# KiCad board fmc_memory_adapter.kicad_pcb (continued)
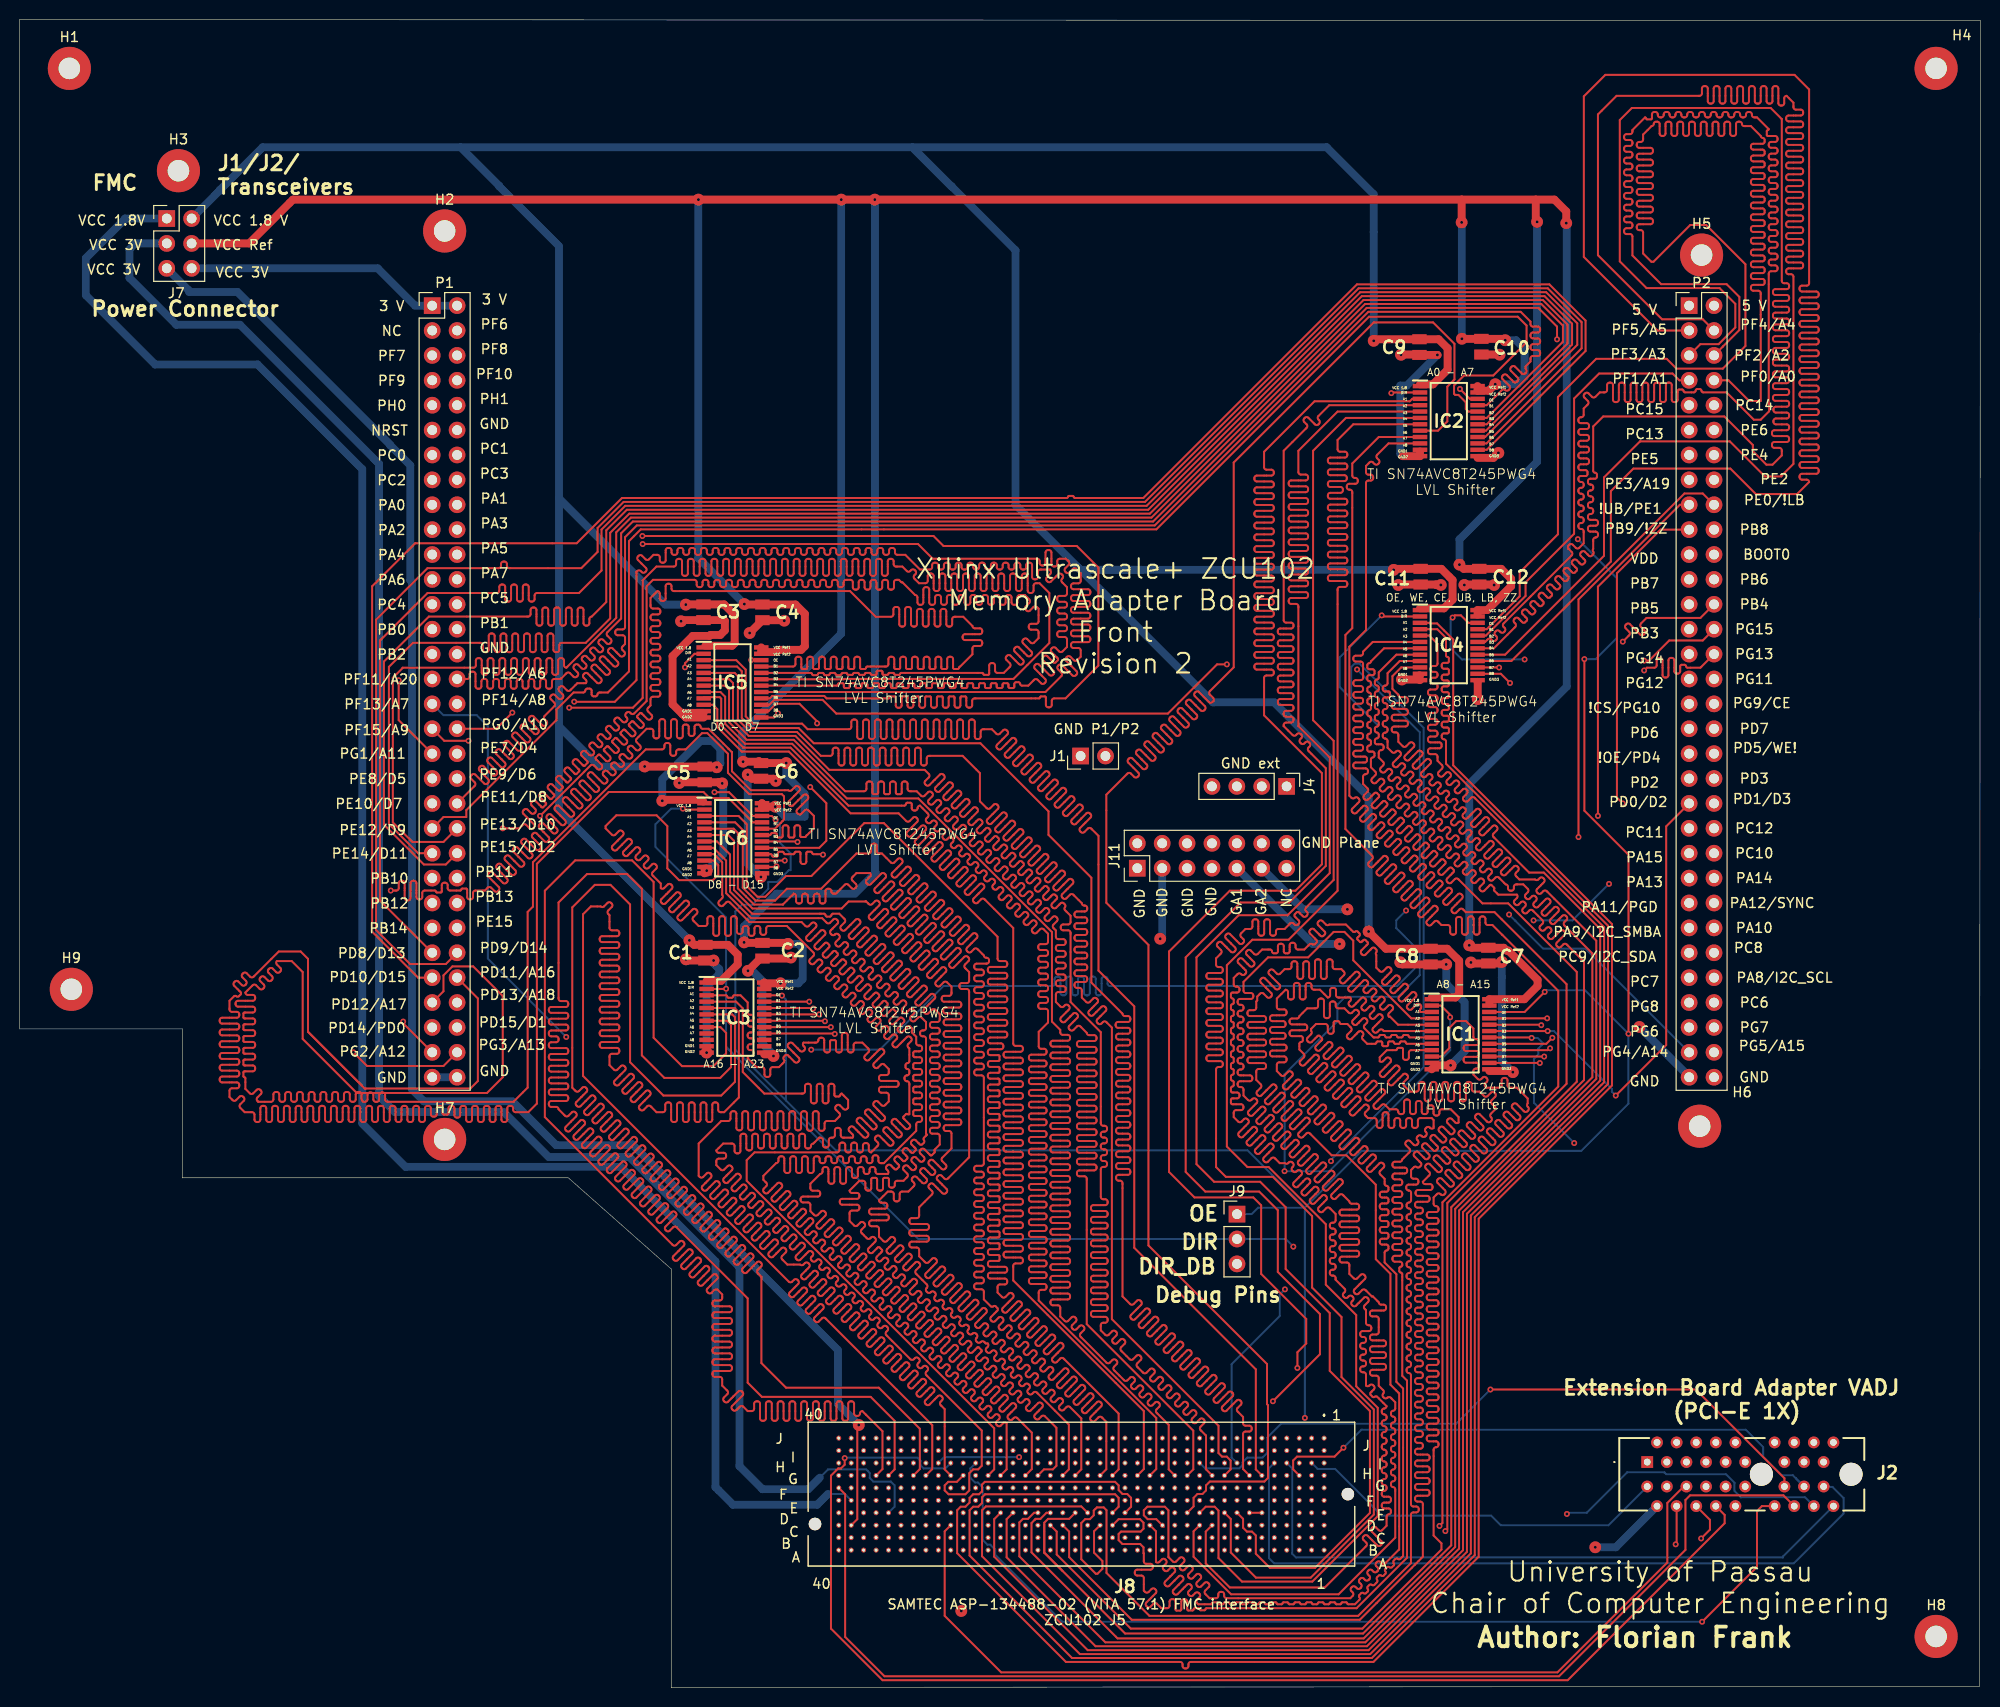
[diagram p0: board, top side]
## Routing (per net, layer and track width the routed paths; a pad name or vN(x,y) marks a point on that pad's centre or on a via; arc(x,y) is an arc through that point) (continued)
Net-(IC3-B3): length 198.5
  Top w0.2: IC3.19 v2(81.6,68.68)
  In2.Cu w0.2: v2(81.6,68.68) 81.66,68.62 93.76,68.62 96,66.38 100.76,66.38 arc(100.93,66.45) 101,66.62 101,67.14 arc(101.07,67.31) 101.24,67.38 101.36,67.38 arc(101.53,67.31) 101.6,67.14 101.6,66.62 arc(101.67,66.45) 101.84,66.38 101.96,66.38 arc(102.13,66.45) 102.2,66.62 102.2,67.14 arc(102.27,67.31) 102.44,67.38 102.56,67.38 arc(102.73,67.31) 102.8,67.14 102.8,66.62 arc(102.87,66.45) 103.04,66.38 103.16,66.38 arc(103.33,66.45) 103.4,66.62 103.4,67.14 arc(103.47,67.31) 103.64,67.38 103.76,67.38 arc(103.93,67.31) 104,67.14 104,66.62 arc(104.07,66.45) 104.24,66.38 104.36,66.38 arc(104.53,66.45) 104.6,66.62 104.6,67.14 arc(104.67,67.31) 104.84,67.38 104.96,67.38 arc(105.13,67.31) 105.2,67.14 105.2,66.62 arc(105.27,66.45) 105.44,66.38 105.56,66.38 arc(105.73,66.45) 105.8,66.62 105.8,67.14 arc(105.87,67.31) 106.04,67.38 106.16,67.38 arc(106.33,67.31) 106.4,67.14 106.4,66.62 arc(106.47,66.45) 106.64,66.38 106.76,66.38 arc(106.93,66.45) 107,66.62 107,67.14 arc(107.07,67.31) 107.24,67.38 107.36,67.38 arc(107.53,67.31) 107.6,67.14 107.6,66.62 arc(107.67,66.45) 107.84,66.38 107.96,66.38 arc(108.13,66.45) 108.2,66.62 108.2,67.14 arc(108.27,67.31) 108.44,67.38 108.56,67.38 arc(108.73,67.31) 108.8,67.14 108.8,66.62 arc(108.87,66.45) 109.04,66.38 109.16,66.38 arc(109.33,66.45) 109.4,66.62 109.4,67.14 arc(109.47,67.31) 109.64,67.38 109.76,67.38 arc(109.93,67.31) 110,67.14 110,66.62 arc(110.07,66.45) 110.24,66.38 110.36,66.38 arc(110.53,66.45) 110.6,66.62 110.6,67.14 arc(110.67,67.31) 110.84,67.38 110.96,67.38 arc(111.13,67.31) 111.2,67.14 111.2,66.62 arc(111.27,66.45) 111.44,66.38 111.56,66.38 arc(111.73,66.45) 111.8,66.62 111.8,67.14 arc(111.87,67.31) 112.04,67.38 112.16,67.38 arc(112.33,67.31) 112.4,67.14 112.4,66.62 arc(112.47,66.45) 112.64,66.38 134.95,66.38 arc(135.12,66.31) 135.19,66.14 135.19,65.84 arc(135.26,65.67) 135.43,65.6 135.55,65.6 arc(135.72,65.67) 135.79,65.84 135.79,67.12 arc(135.86,67.29) 136.03,67.36 136.15,67.36 arc(136.32,67.29) 136.39,67.12 136.39,65.84 arc(136.46,65.67) 136.63,65.6 136.75,65.6 arc(136.92,65.67) 136.99,65.84 136.99,67.12 arc(137.06,67.29) 137.23,67.36 137.35,67.36 arc(137.52,67.29) 137.59,67.12 137.59,65.84 arc(137.66,65.67) 137.83,65.6 137.95,65.6 arc(138.12,65.67) 138.19,65.84 138.19,67.12 arc(138.26,67.29) 138.43,67.36 138.55,67.36 arc(138.72,67.29) 138.79,67.12 138.79,65.84 arc(138.86,65.67) 139.03,65.6 139.15,65.6 arc(139.32,65.67) 139.39,65.84 139.39,67.12 arc(139.46,67.29) 139.63,67.36 139.75,67.36 arc(139.92,67.29) 139.99,67.12 139.99,65.84 arc(140.06,65.67) 140.23,65.6 140.35,65.6 arc(140.52,65.67) 140.59,65.84 140.59,67.12 arc(140.66,67.29) 140.83,67.36 140.95,67.36 arc(141.12,67.29) 141.19,67.12 141.19,65.84 arc(141.26,65.67) 141.43,65.6 141.55,65.6 arc(141.72,65.67) 141.79,65.84 141.79,67.12 arc(141.86,67.29) 142.03,67.36 142.15,67.36 arc(142.32,67.29) 142.39,67.12 142.39,65.84 arc(142.46,65.67) 142.63,65.6 142.75,65.6 arc(142.92,65.67) 142.99,65.84 142.99,67.12 arc(143.06,67.29) 143.23,67.36 143.35,67.36 arc(143.52,67.29) 143.59,67.12 143.59,65.84 arc(143.66,65.67) 143.83,65.6 143.95,65.6 arc(144.12,65.67) 144.19,65.84 144.19,67.12 arc(144.26,67.29) 144.43,67.36 144.55,67.36 arc(144.72,67.29) 144.79,67.12 144.79,65.84 arc(144.86,65.67) 145.03,65.6 145.15,65.6 arc(145.32,65.67) 145.39,65.84 145.39,67.12 arc(145.46,67.29) 145.63,67.36 145.75,67.36 arc(145.92,67.29) 145.99,67.12 145.99,65.84 arc(146.06,65.67) 146.23,65.6 146.35,65.6 arc(146.52,65.67) 146.59,65.84 146.59,67.12 arc(146.66,67.29) 146.83,67.36 146.95,67.36 arc(147.12,67.29) 147.19,67.12 147.19,65.84 arc(147.26,65.67) 147.43,65.6 147.55,65.6 arc(147.72,65.67) 147.79,65.84 147.79,67.12 arc(147.86,67.29) 148.03,67.36 148.15,67.36 arc(148.32,67.29) 148.39,67.12 148.39,66.62 arc(148.46,66.45) 148.63,66.38 149.29,66.38 158.49,75.58 arc(158.52,75.65) 158.59,75.68 arc(158.66,75.71) 158.69,75.78 158.69,76.18 arc(158.66,76.25) 158.59,76.28 arc(158.52,76.31) 158.49,76.38 158.49,76.78 arc(158.52,76.85) 158.59,76.88 arc(158.66,76.91) 158.69,76.98 158.69,77.38 arc(158.66,77.45) 158.59,77.48 arc(158.52,77.51) 158.49,77.58 158.49,77.98 arc(158.52,78.05) 158.59,78.08 arc(158.66,78.11) 158.69,78.18 158.69,78.58 arc(158.66,78.65) 158.59,78.68 arc(158.52,78.71) 158.49,78.78 158.49,79.18 arc(158.52,79.25) 158.59,79.28 arc(158.66,79.31) 158.69,79.38 158.69,79.78 arc(158.66,79.85) 158.59,79.88 arc(158.52,79.91) 158.49,79.98 158.49,80.38 arc(158.52,80.45) 158.59,80.48 arc(158.66,80.51) 158.69,80.58 158.69,80.98 arc(158.66,81.05) 158.59,81.08 arc(158.52,81.11) 158.49,81.18 158.49,81.58 arc(158.52,81.65) 158.59,81.68 arc(158.66,81.71) 158.69,81.78 158.69,82.18 arc(158.66,82.25) 158.59,82.28 arc(158.52,82.31) 158.49,82.38 158.49,82.78 arc(158.52,82.85) 158.59,82.88 arc(158.66,82.91) 158.69,82.98 158.69,83.38 arc(158.66,83.45) 158.59,83.48 arc(158.52,83.51) 158.49,83.58 158.49,83.98 arc(158.52,84.05) 158.59,84.08 arc(158.66,84.11) 158.69,84.18 158.69,84.58 arc(158.66,84.65) 158.59,84.68 arc(158.52,84.71) 158.49,84.78 158.49,85.18 arc(158.52,85.25) 158.59,85.28 arc(158.66,85.31) 158.69,85.38 158.69,85.78 arc(158.66,85.85) 158.59,85.88 arc(158.52,85.91) 158.49,85.98 158.49,87.38 arc(158.58,87.42) 158.67,87.38 arc(158.76,87.34) 158.85,87.38 159.11,87.63 arc(159.15,87.73) 159.11,87.82 158.6,88.32 arc(158.53,88.49) 158.6,88.66 158.69,88.75 arc(158.86,88.82) 159.03,88.75 159.53,88.24 arc(159.63,88.2) 159.72,88.24 159.96,88.48 arc(160,88.57) 159.96,88.66 159.35,89.28 arc(159.28,89.45) 159.35,89.62 159.43,89.7 arc(159.6,89.77) 159.77,89.7 160.12,89.35 arc(160.29,89.28) 160.46,89.35 160.54,89.44 arc(160.61,89.61) 160.54,89.78 160.2,90.13 arc(160.13,90.29) 160.2,90.46 160.28,90.55 arc(160.45,90.62) 160.62,90.55 161.66,89.51 arc(161.83,89.44) 162,89.51 162.08,89.6 arc(162.15,89.77) 162.08,89.94 161.04,90.97 arc(160.97,91.14) 161.04,91.31 161.13,91.4 arc(161.3,91.47) 161.47,91.4 161.82,91.05 arc(161.99,90.98) 162.16,91.05 162.71,91.6 163.36,91.6 arc(163.53,91.53) 163.6,91.36 163.6,91.07 arc(163.67,90.9) 163.84,90.83 163.96,90.83 arc(164.13,90.9) 164.2,91.07 164.2,92.33 arc(164.27,92.5) 164.44,92.57 164.56,92.57 arc(164.73,92.5) 164.8,92.33 164.8,90.87 arc(164.87,90.7) 165.04,90.63 165.16,90.63 arc(165.33,90.7) 165.4,90.87 165.4,92.33 arc(165.47,92.5) 165.64,92.57 165.76,92.57 arc(165.93,92.5) 166,92.33 166,90.87 arc(166.07,90.7) 166.24,90.63 166.36,90.63 arc(166.53,90.7) 166.6,90.87 166.6,91.36 arc(166.67,91.53) 166.84,91.6 176.51,91.6 176.89,91.98 176.89,96.4 P2.34
Net-(IC3-B4): length 196.9
  Top w0.2: IC3.18 82.14,68.03 v2(82.19,67.98) ; P2.18 171.77,121.84 169.9,121.84 159.09,111.03 v2(159.09,86.78)
  In2.Cu w0.2: v2(159.09,86.78) 159.09,75.38 148.89,65.18 134.98,65.18 arc(134.81,65.25) 134.74,65.42 134.74,65.73 arc(134.67,65.9) 134.5,65.97 134.38,65.97 arc(134.21,65.9) 134.14,65.73 134.14,65.42 arc(134.07,65.25) 133.9,65.18 133.78,65.18 arc(133.61,65.25) 133.54,65.42 133.54,65.73 arc(133.47,65.9) 133.3,65.97 133.18,65.97 arc(133.01,65.9) 132.94,65.73 132.94,65.42 arc(132.87,65.25) 132.7,65.18 132.58,65.18 arc(132.41,65.25) 132.34,65.42 132.34,65.73 arc(132.27,65.9) 132.1,65.97 131.98,65.97 arc(131.81,65.9) 131.74,65.73 131.74,65.42 arc(131.67,65.25) 131.5,65.18 131.38,65.18 arc(131.21,65.25) 131.14,65.42 131.14,65.73 arc(131.07,65.9) 130.9,65.97 130.78,65.97 arc(130.61,65.9) 130.54,65.73 130.54,65.42 arc(130.47,65.25) 130.3,65.18 130.18,65.18 arc(130.01,65.25) 129.94,65.42 129.94,65.73 arc(129.87,65.9) 129.7,65.97 129.58,65.97 arc(129.41,65.9) 129.34,65.73 129.34,65.42 arc(129.27,65.25) 129.1,65.18 128.98,65.18 arc(128.81,65.25) 128.74,65.42 128.74,65.73 arc(128.67,65.9) 128.5,65.97 128.38,65.97 arc(128.21,65.9) 128.14,65.73 128.14,65.42 arc(128.07,65.25) 127.9,65.18 127.78,65.18 arc(127.61,65.25) 127.54,65.42 127.54,65.73 arc(127.47,65.9) 127.3,65.97 127.18,65.97 arc(127.01,65.9) 126.94,65.73 126.94,65.42 arc(126.87,65.25) 126.7,65.18 126.58,65.18 arc(126.41,65.25) 126.34,65.42 126.34,65.73 arc(126.27,65.9) 126.1,65.97 125.98,65.97 arc(125.81,65.9) 125.74,65.73 125.74,65.42 arc(125.67,65.25) 125.5,65.18 125.38,65.18 arc(125.21,65.25) 125.14,65.42 125.14,65.73 arc(125.07,65.9) 124.9,65.97 124.78,65.97 arc(124.61,65.9) 124.54,65.73 124.54,65.42 arc(124.47,65.25) 124.3,65.18 124.18,65.18 arc(124.01,65.25) 123.94,65.42 123.94,65.73 arc(123.87,65.9) 123.7,65.97 123.58,65.97 arc(123.41,65.9) 123.34,65.73 123.34,65.42 arc(123.27,65.25) 123.1,65.18 122.98,65.18 arc(122.81,65.25) 122.74,65.42 122.74,65.73 arc(122.67,65.9) 122.5,65.97 122.38,65.97 arc(122.21,65.9) 122.14,65.73 122.14,65.42 arc(122.07,65.25) 121.9,65.18 121.78,65.18 arc(121.61,65.25) 121.54,65.42 121.54,65.73 arc(121.47,65.9) 121.3,65.97 121.18,65.97 arc(121.01,65.9) 120.94,65.73 120.94,65.42 arc(120.87,65.25) 120.7,65.18 120.58,65.18 arc(120.41,65.25) 120.34,65.42 120.34,65.73 arc(120.27,65.9) 120.1,65.97 119.98,65.97 arc(119.81,65.9) 119.74,65.73 119.74,65.42 arc(119.67,65.25) 119.5,65.18 119.38,65.18 arc(119.21,65.25) 119.14,65.42 119.14,65.73 arc(119.07,65.9) 118.9,65.97 118.78,65.97 arc(118.61,65.9) 118.54,65.73 118.54,65.42 arc(118.47,65.25) 118.3,65.18 118.18,65.18 arc(118.01,65.25) 117.94,65.42 117.94,65.73 arc(117.87,65.9) 117.7,65.97 117.58,65.97 arc(117.41,65.9) 117.34,65.73 117.34,65.42 arc(117.27,65.25) 117.1,65.18 116.98,65.18 arc(116.81,65.25) 116.74,65.42 116.74,65.73 arc(116.67,65.9) 116.5,65.97 116.38,65.97 arc(116.21,65.9) 116.14,65.73 116.14,65.42 arc(116.07,65.25) 115.9,65.18 115.78,65.18 arc(115.61,65.25) 115.54,65.42 115.54,65.73 arc(115.47,65.9) 115.3,65.97 115.18,65.97 arc(115.01,65.9) 114.94,65.73 114.94,64.99 arc(114.89,64.85) 114.75,64.79 114.54,64.79 arc(114.4,64.85) 114.34,64.99 114.34,65.73 arc(114.27,65.9) 114.1,65.97 113.98,65.97 arc(113.81,65.9) 113.74,65.73 113.74,64.99 arc(113.69,64.85) 113.55,64.79 113.34,64.79 arc(113.2,64.85) 113.14,64.99 113.14,65.73 arc(113.07,65.9) 112.9,65.97 112.78,65.97 arc(112.61,65.9) 112.54,65.73 112.54,64.99 arc(112.49,64.85) 112.35,64.79 112.14,64.79 arc(112,64.85) 111.94,64.99 111.94,65.73 arc(111.87,65.9) 111.7,65.97 111.58,65.97 arc(111.41,65.9) 111.34,65.73 111.34,64.99 arc(111.29,64.85) 111.15,64.79 110.94,64.79 arc(110.8,64.85) 110.74,64.99 110.74,65.73 arc(110.67,65.9) 110.5,65.97 110.38,65.97 arc(110.21,65.9) 110.14,65.73 110.14,64.99 arc(110.09,64.85) 109.95,64.79 109.74,64.79 arc(109.6,64.85) 109.54,64.99 109.54,65.73 arc(109.47,65.9) 109.3,65.97 109.18,65.97 arc(109.01,65.9) 108.94,65.73 108.94,64.99 arc(108.89,64.85) 108.75,64.79 108.54,64.79 arc(108.4,64.85) 108.34,64.99 108.34,65.73 arc(108.27,65.9) 108.1,65.97 107.98,65.97 arc(107.81,65.9) 107.74,65.73 107.74,64.99 arc(107.69,64.85) 107.55,64.79 107.34,64.79 arc(107.2,64.85) 107.14,64.99 107.14,65.73 arc(107.07,65.9) 106.9,65.97 106.78,65.97 arc(106.61,65.9) 106.54,65.73 106.54,64.99 arc(106.49,64.85) 106.35,64.79 106.14,64.79 arc(106,64.85) 105.94,64.99 105.94,65.73 arc(105.87,65.9) 105.7,65.97 105.58,65.97 arc(105.41,65.9) 105.34,65.73 105.34,64.99 arc(105.29,64.85) 105.15,64.79 104.94,64.79 arc(104.8,64.85) 104.74,64.99 104.74,65.73 arc(104.67,65.9) 104.5,65.97 104.38,65.97 arc(104.21,65.9) 104.14,65.73 104.14,64.99 arc(104.09,64.85) 103.95,64.79 103.74,64.79 arc(103.6,64.85) 103.54,64.99 103.54,65.73 arc(103.47,65.9) 103.3,65.97 103.18,65.97 arc(103.01,65.9) 102.94,65.73 102.94,64.99 arc(102.89,64.85) 102.75,64.79 102.54,64.79 arc(102.4,64.85) 102.34,64.99 102.34,65.73 arc(102.27,65.9) 102.1,65.97 101.98,65.97 arc(101.81,65.9) 101.74,65.73 101.74,64.99 arc(101.69,64.85) 101.55,64.79 101.34,64.79 arc(101.2,64.85) 101.14,64.99 101.14,65.73 arc(101.07,65.9) 100.9,65.97 100.78,65.97 arc(100.61,65.9) 100.54,65.73 100.54,64.99 arc(100.49,64.85) 100.35,64.79 100.14,64.79 arc(100,64.85) 99.94,64.99 99.94,65.73 arc(99.87,65.9) 99.7,65.97 99.58,65.97 arc(99.41,65.9) 99.34,65.73 99.34,64.99 arc(99.29,64.85) 99.15,64.79 98.94,64.79 arc(98.8,64.85) 98.74,64.99 98.74,65.73 arc(98.67,65.9) 98.5,65.97 98.38,65.97 arc(98.21,65.9) 98.14,65.73 98.14,64.99 arc(98.09,64.85) 97.95,64.79 97.74,64.79 arc(97.6,64.85) 97.54,64.99 97.54,65.73 arc(97.47,65.9) 97.3,65.97 97.18,65.97 arc(97.01,65.9) 96.94,65.73 96.94,64.99 arc(96.89,64.85) 96.75,64.79 96.54,64.79 arc(96.4,64.85) 96.34,64.99 96.34,65.73 arc(96.27,65.9) 96.1,65.97 95.98,65.97 arc(95.81,65.9) 95.74,65.73 95.74,64.99 arc(95.69,64.85) 95.55,64.79 95.34,64.79 arc(95.2,64.85) 95.14,64.99 95.14,65.93 arc(95.07,66.1) 94.9,66.17 94.78,66.17 arc(94.61,66.1) 94.54,65.93 94.54,65.42 arc(94.47,65.25) 94.3,65.18 90.89,65.18 89.81,66.26 89.77,66.26 88.05,67.98 v2(82.19,67.98)
Net-(IC3-B5): length 196.9
  Top w0.2: P2.17 169.43,120.69 161.07,112.33 v2(161.07,88.94) ; IC3.17 v2(82.79,67.38)
  In2.Cu w0.2: v2(161.07,88.94) 159.8,87.67 159.8,74.29 149.89,64.38 145.07,64.38 arc(144.9,64.31) 144.83,64.14 144.83,63.64 arc(144.76,63.47) 144.59,63.4 144.47,63.4 arc(144.3,63.47) 144.23,63.64 144.23,64.57 arc(144.17,64.7) 144.04,64.76 143.82,64.76 arc(143.68,64.7) 143.63,64.57 143.63,63.64 arc(143.56,63.47) 143.39,63.4 143.27,63.4 arc(143.1,63.47) 143.03,63.64 143.03,64.57 arc(142.97,64.7) 142.84,64.76 142.62,64.76 arc(142.48,64.7) 142.43,64.57 142.43,63.64 arc(142.36,63.47) 142.19,63.4 142.07,63.4 arc(141.9,63.47) 141.83,63.64 141.83,64.57 arc(141.77,64.7) 141.64,64.76 141.42,64.76 arc(141.28,64.7) 141.23,64.57 141.23,63.64 arc(141.16,63.47) 140.99,63.4 140.87,63.4 arc(140.7,63.47) 140.63,63.64 140.63,64.57 arc(140.57,64.7) 140.44,64.76 140.22,64.76 arc(140.08,64.7) 140.03,64.57 140.03,63.64 arc(139.96,63.47) 139.79,63.4 139.67,63.4 arc(139.5,63.47) 139.43,63.64 139.43,64.57 arc(139.37,64.7) 139.24,64.76 139.02,64.76 arc(138.88,64.7) 138.83,64.57 138.83,63.64 arc(138.76,63.47) 138.59,63.4 138.47,63.4 arc(138.3,63.47) 138.23,63.64 138.23,64.57 arc(138.17,64.7) 138.04,64.76 137.82,64.76 arc(137.68,64.7) 137.63,64.57 137.63,63.64 arc(137.56,63.47) 137.39,63.4 137.27,63.4 arc(137.1,63.47) 137.03,63.64 137.03,64.57 arc(136.97,64.7) 136.84,64.76 136.62,64.76 arc(136.48,64.7) 136.43,64.57 136.43,63.64 arc(136.36,63.47) 136.19,63.4 136.07,63.4 arc(135.9,63.47) 135.83,63.64 135.83,64.57 arc(135.77,64.7) 135.64,64.76 135.42,64.76 arc(135.28,64.7) 135.23,64.57 135.23,63.64 arc(135.16,63.47) 134.99,63.4 134.87,63.4 arc(134.7,63.47) 134.63,63.64 134.63,64.57 arc(134.57,64.7) 134.44,64.76 134.22,64.76 arc(134.08,64.7) 134.03,64.57 134.03,63.64 arc(133.96,63.47) 133.79,63.4 133.67,63.4 arc(133.5,63.47) 133.43,63.64 133.43,64.57 arc(133.37,64.7) 133.24,64.76 133.02,64.76 arc(132.88,64.7) 132.83,64.57 132.83,63.64 arc(132.76,63.47) 132.59,63.4 132.47,63.4 arc(132.3,63.47) 132.23,63.64 132.23,64.57 arc(132.17,64.7) 132.04,64.76 131.82,64.76 arc(131.68,64.7) 131.63,64.57 131.63,63.64 arc(131.56,63.47) 131.39,63.4 131.27,63.4 arc(131.1,63.47) 131.03,63.64 131.03,64.57 arc(130.97,64.7) 130.84,64.76 130.62,64.76 arc(130.48,64.7) 130.43,64.57 130.43,63.64 arc(130.36,63.47) 130.19,63.4 130.07,63.4 arc(129.9,63.47) 129.83,63.64 129.83,64.57 arc(129.77,64.7) 129.64,64.76 129.42,64.76 arc(129.28,64.7) 129.23,64.57 129.23,63.64 arc(129.16,63.47) 128.99,63.4 128.87,63.4 arc(128.7,63.47) 128.63,63.64 128.63,64.57 arc(128.57,64.7) 128.44,64.76 128.22,64.76 arc(128.08,64.7) 128.03,64.57 128.03,63.64 arc(127.96,63.47) 127.79,63.4 127.67,63.4 arc(127.5,63.47) 127.43,63.64 127.43,64.57 arc(127.37,64.7) 127.24,64.76 127.02,64.76 arc(126.88,64.7) 126.83,64.57 126.83,63.64 arc(126.76,63.47) 126.59,63.4 126.47,63.4 arc(126.3,63.47) 126.23,63.64 126.23,64.57 arc(126.17,64.7) 126.04,64.76 125.82,64.76 arc(125.68,64.7) 125.63,64.57 125.63,63.64 arc(125.56,63.47) 125.39,63.4 125.27,63.4 arc(125.1,63.47) 125.03,63.64 125.03,64.57 arc(124.97,64.7) 124.84,64.76 124.62,64.76 arc(124.48,64.7) 124.43,64.57 124.43,63.64 arc(124.36,63.47) 124.19,63.4 124.07,63.4 arc(123.9,63.47) 123.83,63.64 123.83,64.57 arc(123.77,64.7) 123.64,64.76 123.42,64.76 arc(123.28,64.7) 123.23,64.57 123.23,63.64 arc(123.16,63.47) 122.99,63.4 122.87,63.4 arc(122.7,63.47) 122.63,63.64 122.63,64.57 arc(122.57,64.7) 122.44,64.76 122.22,64.76 arc(122.08,64.7) 122.03,64.57 122.03,63.64 arc(121.96,63.47) 121.79,63.4 121.67,63.4 arc(121.5,63.47) 121.43,63.64 121.43,64.57 arc(121.37,64.7) 121.24,64.76 121.02,64.76 arc(120.88,64.7) 120.83,64.57 120.83,63.64 arc(120.76,63.47) 120.59,63.4 120.47,63.4 arc(120.3,63.47) 120.23,63.64 120.23,64.57 arc(120.17,64.7) 120.04,64.76 119.82,64.76 arc(119.68,64.7) 119.63,64.57 119.63,63.64 arc(119.56,63.47) 119.39,63.4 119.27,63.4 arc(119.1,63.47) 119.03,63.64 119.03,64.57 arc(118.97,64.7) 118.84,64.76 118.62,64.76 arc(118.48,64.7) 118.43,64.57 118.43,63.64 arc(118.36,63.47) 118.19,63.4 118.07,63.4 arc(117.9,63.47) 117.83,63.64 117.83,64.57 arc(117.77,64.7) 117.64,64.76 117.42,64.76 arc(117.28,64.7) 117.23,64.57 117.23,63.64 arc(117.16,63.47) 116.99,63.4 116.87,63.4 arc(116.7,63.47) 116.63,63.64 116.63,64.57 arc(116.57,64.7) 116.44,64.76 116.2,64.76 arc(116.07,64.7) 116.01,64.57 arc(115.96,64.43) 115.83,64.38 89.11,64.38 86.11,67.38 v2(82.79,67.38)
Net-(IC3-B6): length 197.4
  Top w0.2: P2.19 167.46,118.15 163.01,113.7 163.01,90.81 v2(163.61,90.21) ; IC3.16 83.14,66.73 v2(83.19,66.69)
  In2.Cu w0.2: v2(163.61,90.21) 163.61,88.71 161.9,87 161.9,84.8 161.3,84.2 161.3,81.5 161.9,80.9 161.9,75.14 149.03,62.27 112.48,62.27 arc(112.31,62.2) 112.24,62.03 112.24,61.67 arc(112.17,61.5) 112,61.43 111.88,61.43 arc(111.71,61.5) 111.64,61.67 111.64,63.02 arc(111.57,63.19) 111.4,63.26 111.28,63.26 arc(111.11,63.19) 111.04,63.02 111.04,61.67 arc(110.97,61.5) 110.8,61.43 110.68,61.43 arc(110.51,61.5) 110.44,61.67 110.44,63.02 arc(110.37,63.19) 110.2,63.26 110.08,63.26 arc(109.91,63.19) 109.84,63.02 109.84,61.67 arc(109.77,61.5) 109.6,61.43 109.48,61.43 arc(109.31,61.5) 109.24,61.67 109.24,63.02 arc(109.17,63.19) 109,63.26 108.88,63.26 arc(108.71,63.19) 108.64,63.02 108.64,61.67 arc(108.57,61.5) 108.4,61.43 108.28,61.43 arc(108.11,61.5) 108.04,61.67 108.04,63.02 arc(107.97,63.19) 107.8,63.26 107.68,63.26 arc(107.51,63.19) 107.44,63.02 107.44,61.67 arc(107.37,61.5) 107.2,61.43 107.08,61.43 arc(106.91,61.5) 106.84,61.67 106.84,63.02 arc(106.77,63.19) 106.6,63.26 106.48,63.26 arc(106.31,63.19) 106.24,63.02 106.24,61.67 arc(106.17,61.5) 106,61.43 105.88,61.43 arc(105.71,61.5) 105.64,61.67 105.64,63.02 arc(105.57,63.19) 105.4,63.26 105.28,63.26 arc(105.11,63.19) 105.04,63.02 105.04,61.67 arc(104.97,61.5) 104.8,61.43 104.68,61.43 arc(104.51,61.5) 104.44,61.67 104.44,63.02 arc(104.37,63.19) 104.2,63.26 104.08,63.26 arc(103.91,63.19) 103.84,63.02 103.84,61.67 arc(103.77,61.5) 103.6,61.43 103.48,61.43 arc(103.31,61.5) 103.24,61.67 103.24,63.02 arc(103.17,63.19) 103,63.26 102.88,63.26 arc(102.71,63.19) 102.64,63.02 102.64,61.67 arc(102.57,61.5) 102.4,61.43 102.28,61.43 arc(102.11,61.5) 102.04,61.67 102.04,63.02 arc(101.97,63.19) 101.8,63.26 101.68,63.26 arc(101.51,63.19) 101.44,63.02 101.44,61.67 arc(101.37,61.5) 101.2,61.43 101.08,61.43 arc(100.91,61.5) 100.84,61.67 100.84,63.02 arc(100.77,63.19) 100.6,63.26 100.48,63.26 arc(100.31,63.19) 100.24,63.02 100.24,61.67 arc(100.17,61.5) 100,61.43 99.88,61.43 arc(99.71,61.5) 99.64,61.67 99.64,63.02 arc(99.57,63.19) 99.4,63.26 99.28,63.26 arc(99.11,63.19) 99.04,63.02 99.04,61.67 arc(98.97,61.5) 98.8,61.43 98.68,61.43 arc(98.51,61.5) 98.44,61.67 98.44,63.02 arc(98.37,63.19) 98.2,63.26 98.08,63.26 arc(97.91,63.19) 97.84,63.02 97.84,61.67 arc(97.77,61.5) 97.6,61.43 97.48,61.43 arc(97.31,61.5) 97.24,61.67 97.24,63.02 arc(97.17,63.19) 97,63.26 96.88,63.26 arc(96.71,63.19) 96.64,63.02 96.64,61.67 arc(96.57,61.5) 96.4,61.43 96.28,61.43 arc(96.11,61.5) 96.04,61.67 96.04,63.02 arc(95.97,63.19) 95.8,63.26 95.68,63.26 arc(95.51,63.19) 95.44,63.02 95.44,61.67 arc(95.37,61.5) 95.2,61.43 95.08,61.43 arc(94.91,61.5) 94.84,61.67 94.84,63.02 arc(94.77,63.19) 94.6,63.26 94.48,63.26 arc(94.31,63.19) 94.24,63.02 94.24,61.67 arc(94.17,61.5) 94,61.43 93.88,61.43 arc(93.71,61.5) 93.64,61.67 93.64,63.02 arc(93.57,63.19) 93.4,63.26 93.28,63.26 arc(93.11,63.19) 93.04,63.02 93.04,61.67 arc(92.97,61.5) 92.8,61.43 92.68,61.43 arc(92.51,61.5) 92.44,61.67 92.44,63.02 arc(92.37,63.19) 92.2,63.26 92.08,63.26 arc(91.91,63.19) 91.84,63.02 91.84,62.51 arc(91.77,62.34) 91.6,62.27 87.6,62.27 v2(83.19,66.69)
Net-(IC3-DIR): length 266.6
  Top w0.2: IC4.2 139.11,109.29 v2(139,109.4) ; IC6.2 67.79,89.58 v2(67.69,89.68) ; IC5.2 68.87,105.48 67.9,104.51 v2(67.9,104.1) ; IC3.2 72.08,71.28 v2(72.1,71.3)
  In2.Cu w0.2: v2(67.69,89.68) 67.69,84.51 71.5,80.7 73.02,82.22 73.02,93.29 67.9,98.42 v2(67.9,104.1) ; J8.H10 122.32,23.52 122.32,25.67 124.5,27.85 130.05,27.85 133.6,31.4 133.6,41.37 v2(129.99,44.98) 133.83,48.82 v2(133.83,53.7)
  Bottom w0.2: 72.1,72 v2(72.1,71.3) 72.09,71.29 ; 72.1,72 72.1,65.37 72.63,64.83 ; 72.1,72 72.1,78.57 64.89,85.78 64.89,88.08 66.49,89.68 v2(67.69,89.68) ; v2(129.99,44.98) 129.21,45.76 J9.2 91.71,45.76 72.63,64.83 ; 133.8,53.8 133.75,53.75 ; 133.8,53.8 133.8,53.73 v2(133.83,53.7) ; 133.8,53.8 143.29,63.29 143.29,97.93 136.73,104.48 136.24,104.48 135.89,104.13 135.89,100.91 138.56,98.24 134.7,102.1 134.7,105.1 v2(139,109.4) ; 72.63,64.83 72.19,65.28
Net-(IC4-A1): length 200
  Top w0.2: J8.D17 113.43,18.44 113.43,19.35 113.03,19.74 112.55,19.74 112.16,20.13 112.16,20.62 111.79,20.98 98.5,20.98 98.22,20.7 98.22,20.02 97.91,19.71 97.31,19.71 96.95,19.35 96.95,18.86 96.52,18.44 96.04,18.44 95.68,18.08 95.68,13.7 106.78,2.6 118.44,2.6 arc(118.61,2.53) 118.68,2.36 118.68,2.18 arc(118.75,2.01) 118.92,1.94 119.04,1.94 arc(119.21,2.01) 119.28,2.18 119.28,2.36 arc(119.35,2.53) 119.52,2.6 138.16,2.6 148.9,13.34 148.9,47.83 162.5,61.43 162.5,77.9 146.3,94.1 146.3,106.93 144.65,108.58 143.91,108.58 143.85,108.64 IC4.3
Net-(IC4-A2): length 200
  Top w0.2: IC4.4 144.68,107.99 145.57,107.1 145.57,105.31 arc(145.61,105.2) 145.71,105.16 arc(145.81,105.12) 145.85,105.02 145.85,104.7 arc(145.81,104.6) 145.71,104.56 145.35,104.56 arc(145.19,104.49) 145.13,104.34 145.13,104.18 arc(145.19,104.02) 145.35,103.96 145.71,103.96 arc(145.81,103.91) 145.86,103.81 145.86,103.5 arc(145.81,103.4) 145.71,103.36 145.35,103.36 arc(145.19,103.29) 145.13,103.14 145.13,102.98 arc(145.19,102.82) 145.35,102.76 145.71,102.76 arc(145.81,102.71) 145.86,102.61 145.86,102.3 arc(145.81,102.2) 145.71,102.16 145.35,102.16 arc(145.19,102.09) 145.13,101.94 145.13,101.78 arc(145.19,101.62) 145.35,101.56 145.71,101.56 arc(145.81,101.51) 145.86,101.41 145.86,101.1 arc(145.81,101) 145.71,100.96 145.35,100.96 arc(145.19,100.89) 145.13,100.74 145.13,100.58 arc(145.19,100.42) 145.35,100.36 145.71,100.36 arc(145.81,100.31) 145.86,100.21 145.86,99.9 arc(145.81,99.8) 145.71,99.76 145.35,99.76 arc(145.19,99.69) 145.13,99.54 145.13,99.38 arc(145.19,99.22) 145.35,99.16 145.71,99.16 arc(145.81,99.11) 145.86,99.01 145.86,98.7 arc(145.81,98.6) 145.71,98.56 145.35,98.56 arc(145.19,98.49) 145.13,98.34 145.13,98.18 arc(145.19,98.02) 145.35,97.96 145.71,97.96 arc(145.81,97.91) 145.86,97.81 145.86,97.5 arc(145.81,97.4) 145.71,97.36 145.35,97.36 arc(145.19,97.29) 145.13,97.14 145.13,96.98 arc(145.19,96.82) 145.35,96.76 arc(145.5,96.69) 145.57,96.54 145.57,94.27 162.1,77.73 162.1,61.59 148.5,47.99 148.5,13.51 137.99,3 107.4,3 96.95,13.45 96.95,18.08 97.31,18.44 97.84,18.44 98.22,18.82 98.22,19.4 98.53,19.71 111.79,19.71 112.16,19.35 112.16,18.44 J8.D18
